# Altium PCB 1534级主板 -DRV3388-2.PcbDoc (part 1 of 3)
Units mil, origin at the board's own origin, x right, y up, seen from the top; angles counter-clockwise.
Board outline 2090.18 x 2701.44 mil, 2 copper layers (Top Layer, Bottom Layer); 7 components, 36 nets, 245 pads, 155 vias.
Unrouted connection lines stored in the file: 16.
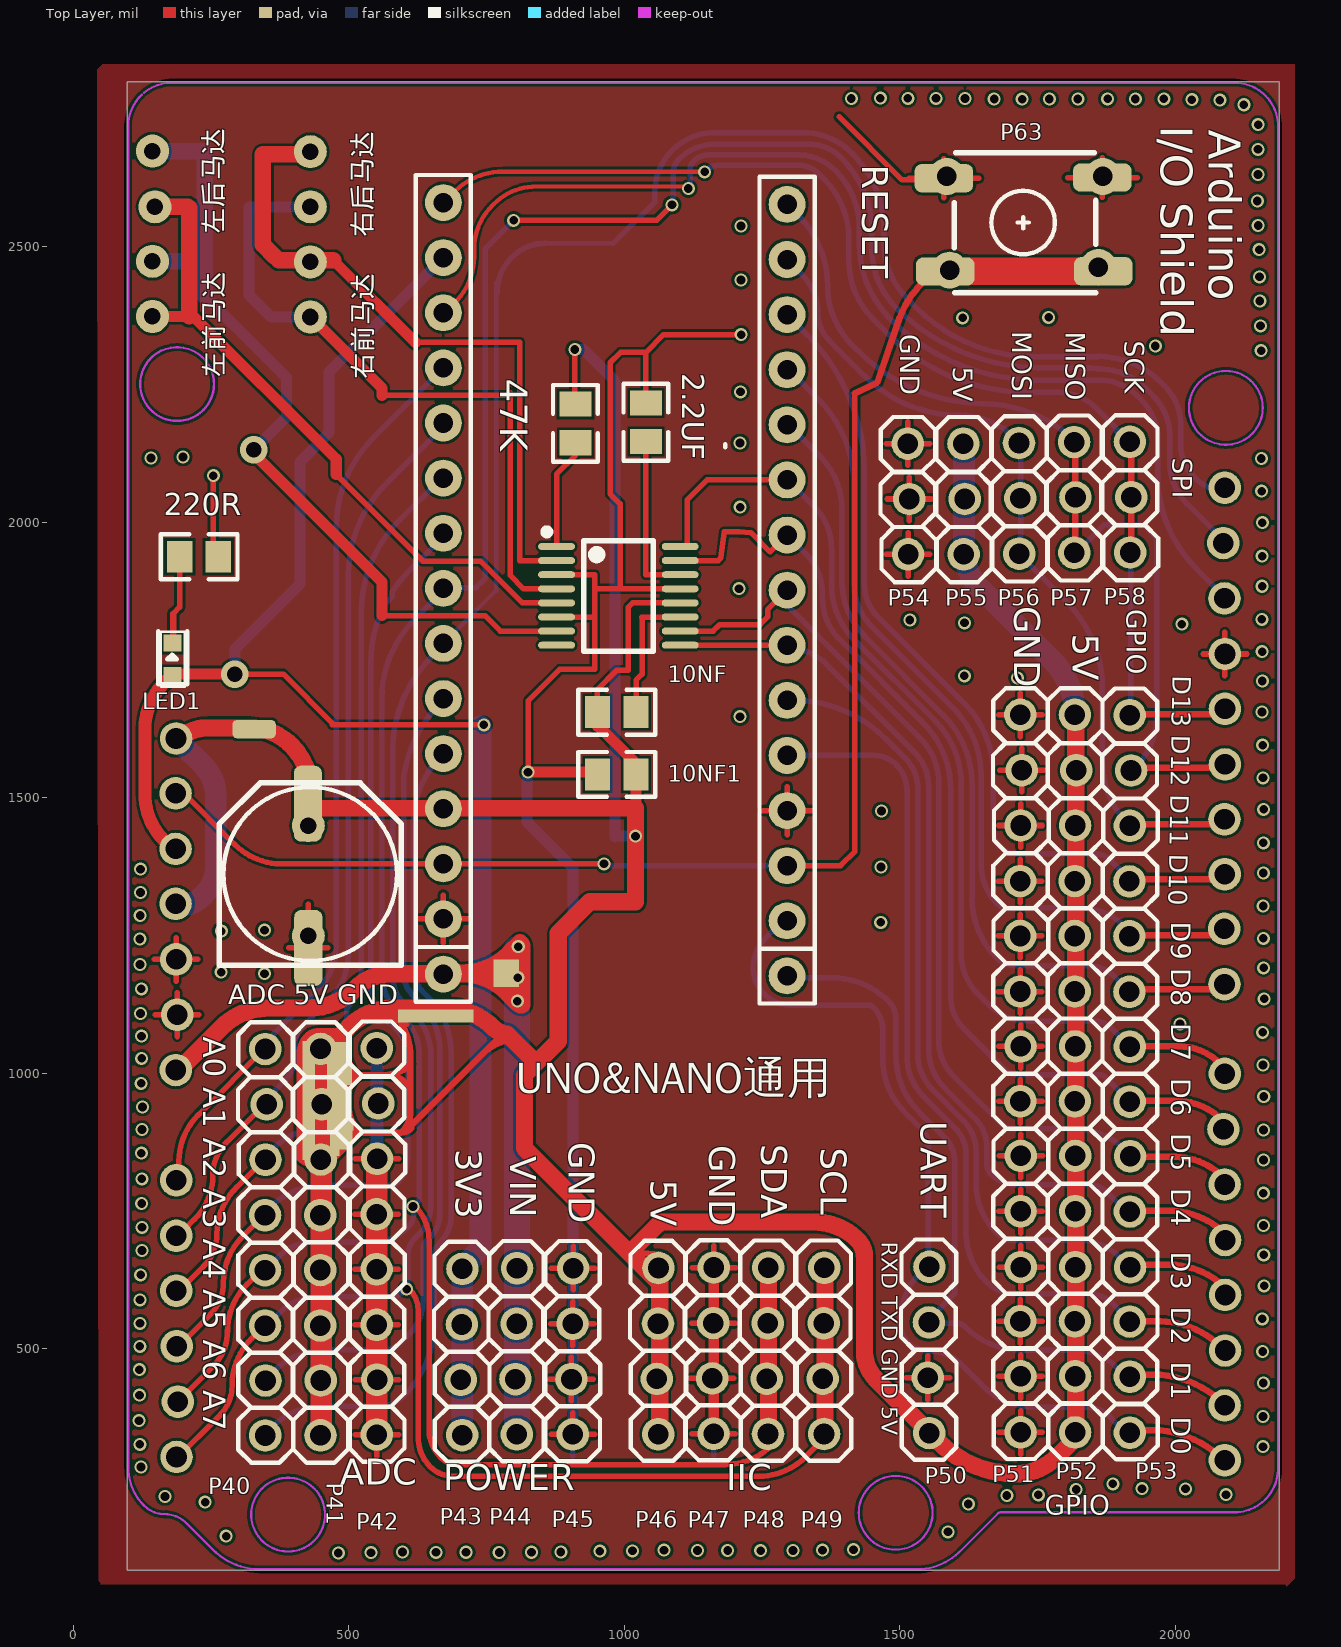
[diagram p0: Top Layer view]
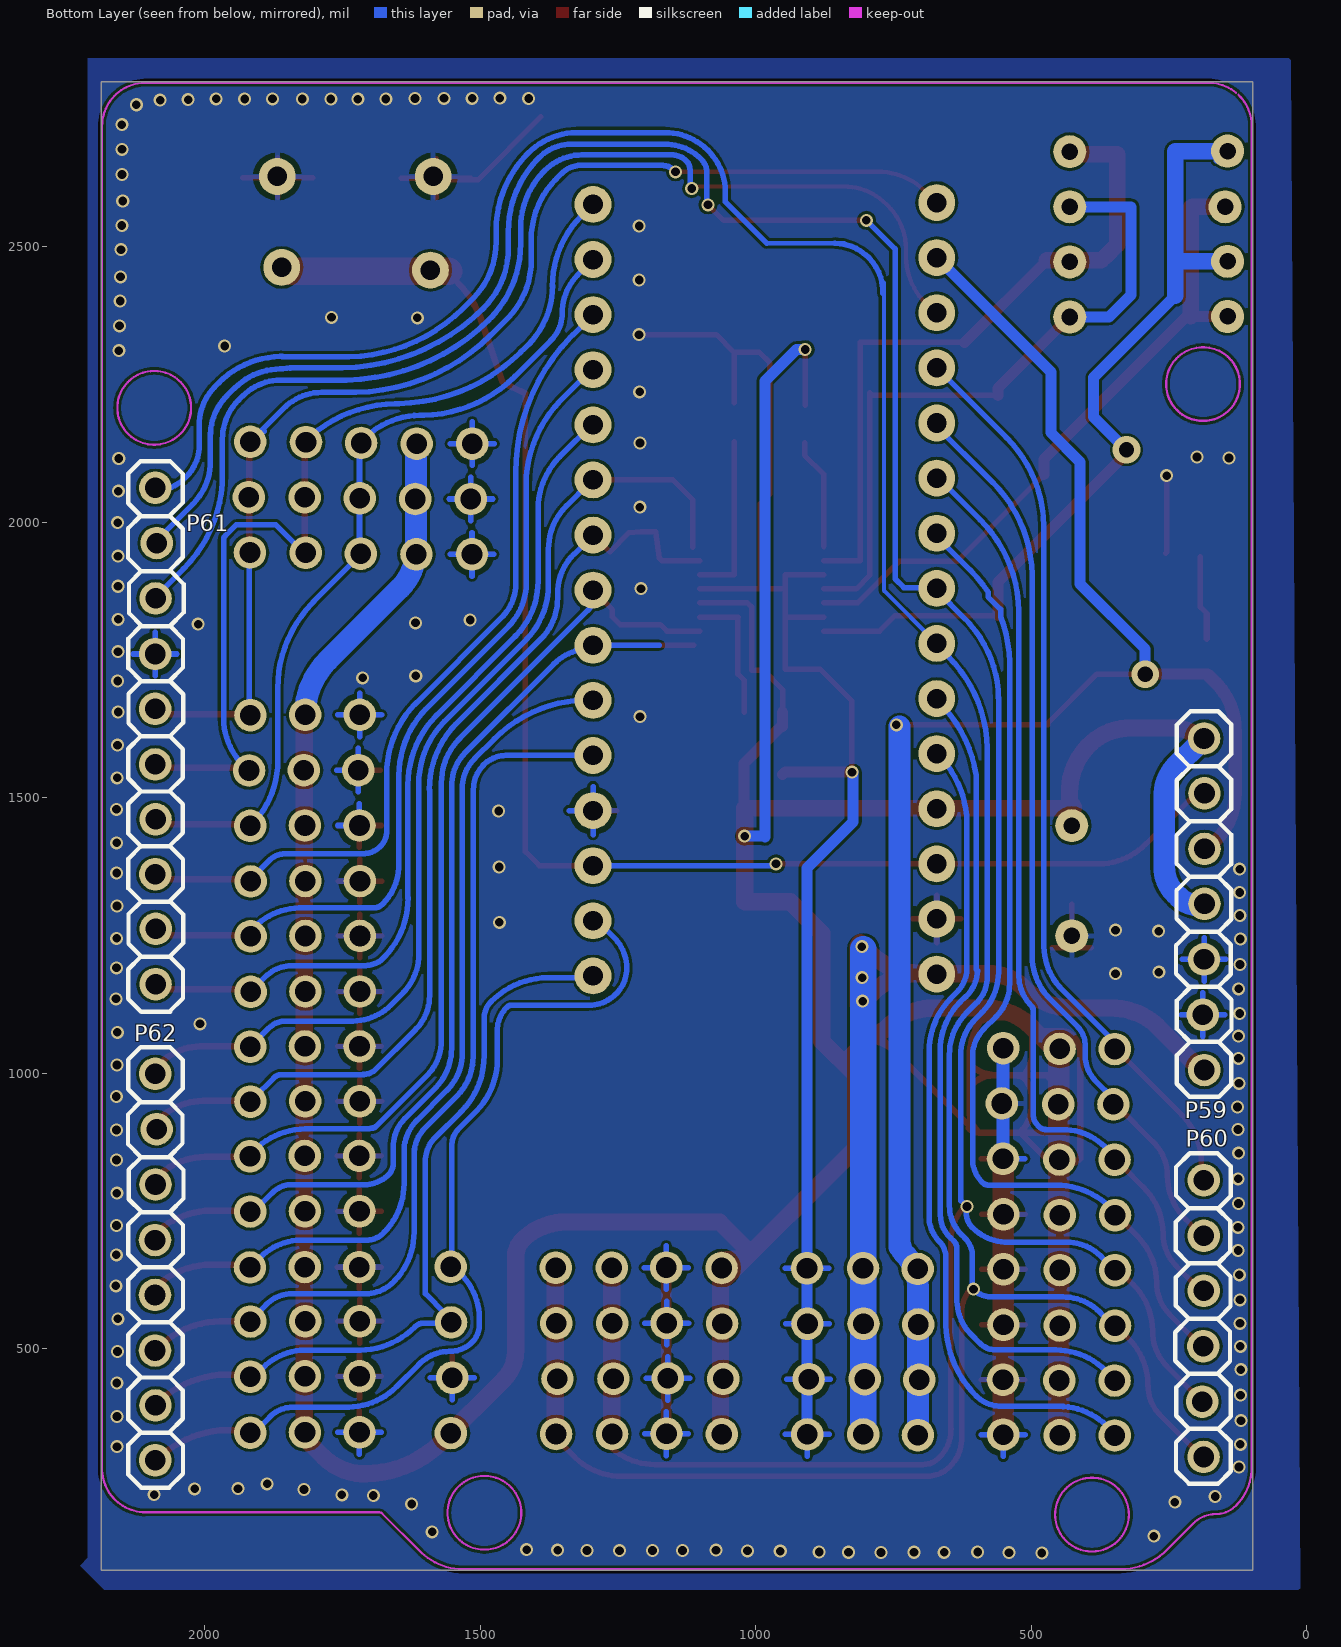
[diagram p1: Bottom Layer view, seen from below]
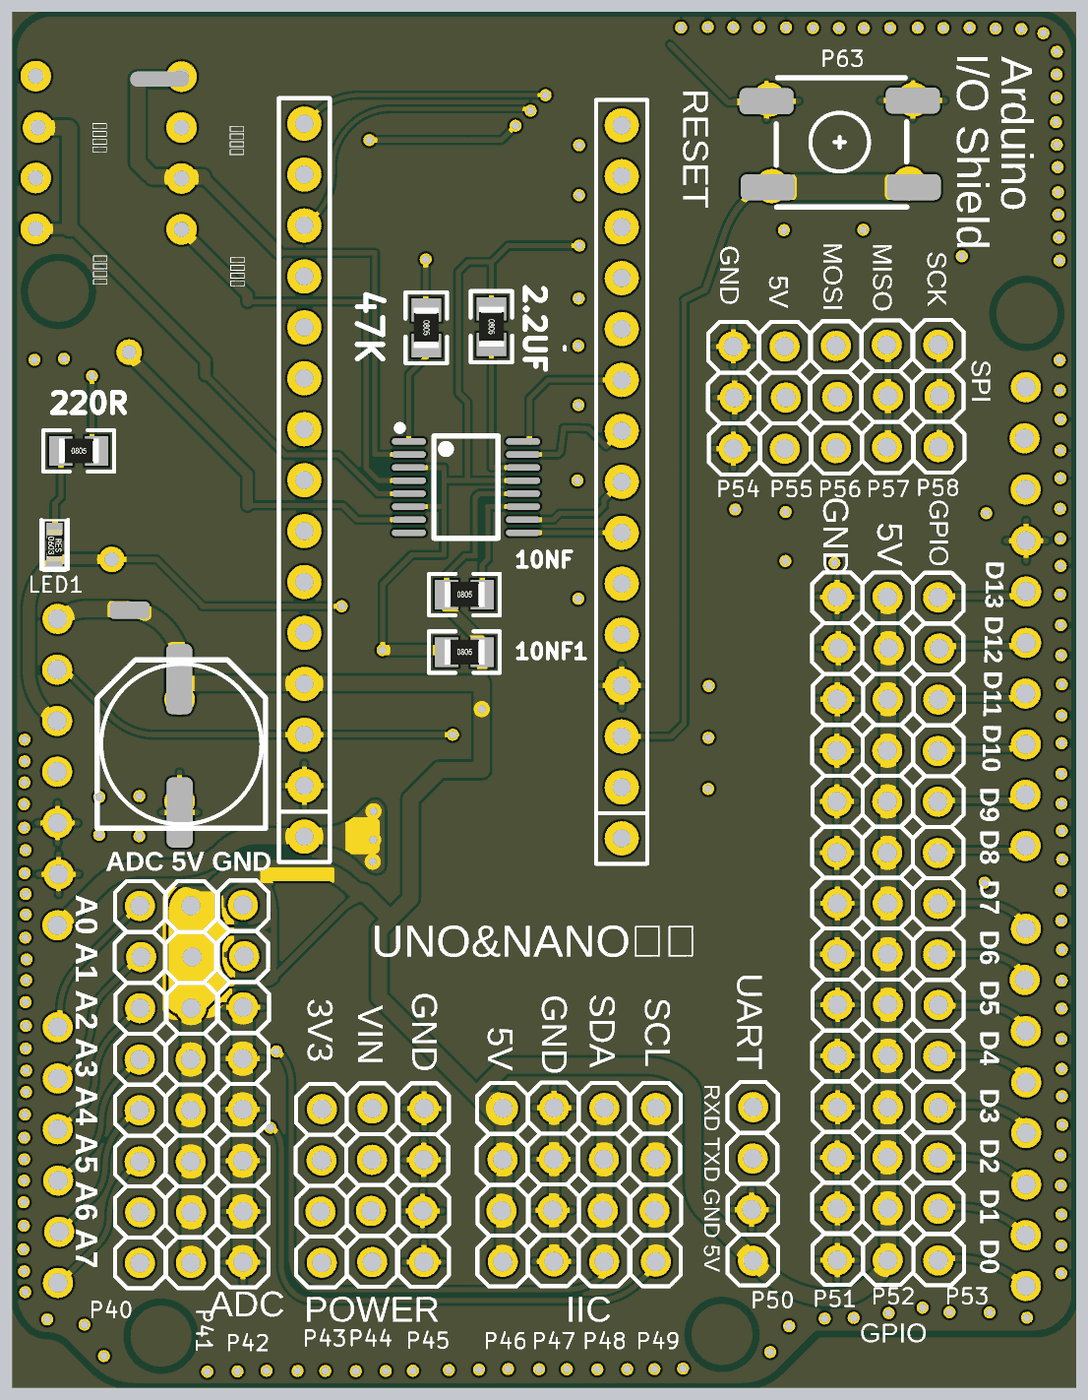
[diagram p4: 3D render of the assembled board from above, using the file's embedded part models]

## Layer stack, top to bottom
Top Solder: solder mask 0.4, Solder Resist, Dk 3.5
Top Layer: signal copper 1.4
Dielectric1: dielectric 12.6, FR-4, Dk 4.8
Bottom Layer: signal copper 1.4
Bottom Solder: solder mask 0.4, Solder Resist, Dk 3.5

## Board outline
97.7,97.7 2187.88,97.7 2187.88,2799.14 97.7,2799.14

## Design rules (kind name [scope] priority, off if disabled: settings)
Clearance [All] p1: gap=5 ignorepadtopadclearanceinfootprint=FALSE except(0: Arc-Hole Track-Hole SMDPad-Hole THPad-Hole Via-Hole Fill-Hole Poly-Hole Region-Hole Text-Hole)
PolygonConnect PolygonConnect_1 [isvia] p1: connectstyle=Direct reliefconductorwidth=10 reliefentries=4 polygonreliefangle="90 Angle" airgapwidth=10
PolygonConnect CAM_PolygonConnect_$Net45 [InNet('$Net45')] p2: connectstyle=Direct reliefconductorwidth=10 reliefentries=4 polygonreliefangle="90 Angle" airgapwidth=10
PolygonConnect CAM_PolygonConnect_$Net37 [InNet('$Net37')] p3: connectstyle=Direct reliefconductorwidth=10 reliefentries=4 polygonreliefangle="90 Angle" airgapwidth=10
PolygonConnect [All] p4: connectstyle=Relief reliefconductorwidth=10 reliefentries=4 polygonreliefangle="90 Angle" airgapwidth=10
RoutingCorners [All] p1: cornerstyle=45-Degree minsetback=50 maxsetback=50
RoutingVias [All] p1: holewidth=28 width=50 viastyle="Through Hole" minholewidth=28 minwidth=50 maxholewidth=28 maxwidth=50
SolderMaskExpansion [All] p1: expansion=4
Width [All] p1: maxlimit=51 minlimit=6 preferedwidth=10
29 further rules are at their usual default settings.

## Components (designator, comment, footprint, x,y, rotation, side; value= is the part's Value field where it differs from the comment)
2.2UF "Q4-3" 0805_R 1039,2181 r270 top
10NF "Q4-3" 0805_R 986,1655 r0 top
10NF1 "Q4-3" 0805_R 986,1542 r0 top
47K "Q4-3" 0805_R 911,2179 r270 top
220R "Q4-3" 0805_R 228,1937 r0 top
LED1 "Comment" 0603-R 180,1750.91 r270 top
? "Q4-3" TSSOP-16 989,1866 r270 top

## Footprints (in the part's own frame and the unit in brackets; to place one, negate y for a bottom-side part, rotate by r counter-clockwise, add the part's x,y. Pads: shape width x height; smd on the part's side, far side on the other; paste and mask are expansions set on the pad)
0603-R [mm]
  rect 0.8x0.83 smd: 1(-0.75,0) 2(0.75,0)
  silkscreen extent -1.27,-0.53 1.27,0.56, body extent -0.8,-0.39 0.8,0.41, height 0.45
0805_R [mm]
  rect 1.16x1.47 smd: 1(-0.89,0) 2(0.89,0)
  silkscreen extent -1.77,-1.04 1.77,1.03, body extent -1,-0.62 1,0.63, height 0.49
TSSOP-16 [mm]
  oval 0.32x1.7 smd: 1(-2.275,-2.85) 2(-1.625,-2.85) 3(-0.975,-2.85) 4(-0.325,-2.85) 5(0.325,-2.85) 6(0.975,-2.85) 7(1.625,-2.85) 8(2.275,-2.85) 9(2.275,2.85) 10(1.625,2.85) 11(0.975,2.85) 12(0.325,2.85) 13(-0.325,2.85) 14(-0.975,2.85) 15(-1.625,2.85) 16(-2.275,2.85)
  silkscreen extent -3.1,-3.45 2.55,1.6

## Free pads (board coordinates)
  round 60 hole 30: 0(143.52,2373) 0(143.52,2373) 0(426.32,1249) 0(430,2372) 1(143.52,2473) 1(426.32,1449) 1(430,2472) 2(148,2572) 2(430,2572) 3(143.52,2673) 3(430,2672)
  round 59.05 hole 37.4: 0(185.49,1307.18) 0(185.49,1406.76) 0(185.5,1507.58) 0(185.92,1005.52) 0(186.32,1607.17) 0(186.33,1206.33) 0(186.74,605.09) 0(186.74,704.68) 0(186.75,805.5) 0(187.17,303.43) 0(187.58,504.25) 0(188.42,1105.92) 0(189.62,403.78) 0(347.77,642.37) 0(347.77,741.96) 0(347.78,541.55) 0(348.2,342.37) 0(348.2,1043.62) 0(348.2,1043.62) 0(348.61,441.96) 0(348.62,842.8) 0(350.7,943.22) 0(447.99,642.58) 0(447.99,742.17) 0(448,541.76) 0(448.42,342.58) 0(448.42,1043.83) 0(448.83,442.17) 0(448.84,843.01) 0(450.92,943.43) 0(550.28,644.04) 0(550.28,743.63) 0(550.29,543.22) 0(550.71,344.04) 0(550.71,1045.29) 0(551.12,443.63) 0(551.13,844.47) 0(553.21,944.89) 0(703.02,443.41) 0(703.02,443.41) 0(705.1,543.83) 0(705.52,343.02) 0(705.52,343.02) 0(705.94,644.67) 0(802.18,444.67) 0(802.18,444.67) 0(804.26,545.09) 0(804.68,344.28) 0(804.68,344.28) 0(805.1,645.93) 0(903.85,444.67) 0(903.85,444.67) 0(905.93,545.09) 0(906.35,344.28) 0(906.35,344.28) 0(906.77,645.93) 0(1058.82,445.06) 0(1060.9,545.48) 0(1061.31,344.67) 0(1061.74,646.32) 0(1159.25,445.91) 0(1161.33,546.33) 0(1161.74,345.52) 0(1162.17,647.17) 0(1258,445.49) 0(1260.08,545.91) 0(1260.49,345.1) 0(1260.92,646.75) 0(1359.66,445.49) 0(1361.74,545.91) 0(1362.15,345.1) 0(1362.58,646.75) 0(1514.25,2142.15) 0(1514.67,1941.33) 0(1516.75,2041.75) 0(1550.49,447.18) 0(1552.57,547.59) 0(1552.99,346.78) 0(1553.42,648.43) 0(1615.07,2142.14) 0(1615.49,1941.32) 0(1617.57,2041.74) 0(1715.92,2143.4) 0(1716.34,1942.58) 0(1717.99,1248.84) 0(1717.99,1348.43) 0(1717.99,1348.43) 0(1718,1148.02) 0(1718.42,549.69) 0(1718.42,948.83) 0(1718.42,1650.08) 0(1718.42,2043) 0(1718.82,449.68) 0(1718.82,1048.43) 0(1718.83,348.02) 0(1718.83,749.27) 0(1718.83,1449.27) 0(1719.24,849.68) 0(1719.25,648.02) 0(1720.92,1549.69) 0(1815.91,2145.06) 0(1816.33,1944.24) 0(1816.94,1248.83) 0(1816.94,1348.42) 0(1816.94,1348.42) 0(1816.95,1148.01) 0(1817.37,549.68) 0(1817.37,948.82) 0(1817.37,1650.07) 0(1817.77,449.67) 0(1817.77,1048.42) 0(1817.78,348.01) 0(1817.78,749.26) 0(1817.78,1449.26) 0(1818.19,849.67) 0(1818.2,648.01) 0(1818.41,2044.66) 0(1819.87,1549.68) 0(1916.31,1248.21) 0(1916.31,1347.8) 0(1916.31,1347.8) 0(1916.32,1147.38) 0(1916.74,549.05) 0(1916.74,948.19) 0(1916.74,1649.45) 0(1917.14,449.04) 0(1917.14,1047.79) 0(1917.15,347.38) 0(1917.15,748.63) 0(1917.15,1448.64) 0(1917.17,2145.48) 0(1917.56,849.04) 0(1917.57,647.38) 0(1917.59,1944.66) 0(1919.24,1549.06) 0(1919.67,2045.08) 0(2086.75,1961.75) 0(2086.95,898.22) 0(2088.43,1261.74) 0(2088.83,1161.33) 0(2088.83,1861.33) 0(2088.84,1460.49) 0(2089.03,797.8) 0(2089.04,396.96) 0(2089.25,1360.9) 0(2089.25,2062.15) 0(2089.45,297.37) 0(2089.45,998.62) 0(2089.67,1560.08) 0(2089.68,1660.91) 0(2089.68,1760.49) 0(2089.87,496.55) 0(2089.88,597.38) 0(2089.88,696.96)
  round 66.93 hole 35.43: 0(671.33,1179.65) 0(671.33,1279.65) 0(671.33,1379.65) 0(671.33,1479.65) 0(671.33,1579.65) 0(671.33,1679.65) 0(671.33,1779.65) 0(671.33,1879.65) 0(671.33,1979.65) 0(671.33,2079.65) 0(671.33,2179.65) 0(671.33,2279.65) 0(671.33,2379.65) 0(671.33,2479.65) 0(671.33,2579.65) 0(1295.08,1176.33) 0(1295.08,1276.33) 0(1295.08,1376.33) 0(1295.08,1476.33) 0(1295.08,1576.33) 0(1295.08,1676.33) 0(1295.08,1776.33) 0(1295.08,1876.33) 0(1295.08,1976.33) 0(1295.08,2076.33) 0(1295.08,2176.33) 0(1295.08,2276.33) 0(1295.08,2376.33) 0(1295.08,2476.33) 0(1295.08,2576.33) 0(1585,2627) 0(1590.08,2457) 0(1860,2462) 0(1868,2627)
  rect 27.56x15.75 smd paste+0 mask+4: 1(179.87,1724.45) 1(179.87,1782.99)
  rrect50% 78.74x33.47 smd paste+0 mask+4: 1(327.99,1624.13)
  rrect50% 51.18x137.8 smd paste+0 mask+4: 1(425.49,1488.84) 1(426.32,1227.16)
  rect 23.33x215.83 smd paste-107.91 mask+22.34: 1(427.17,950.08)
  rect 17.07x50.44 smd paste-25.22 mask+25.46: 1(474.04,874.46)
  rect 37.08x163.33 smd paste-81.67 mask+15.46: 1(479.04,975.08)
  rect 27.92x37.08 smd paste-18.54 mask+20.04: 1(482.37,879.88)
  rect 22.5x23.33 smd paste-11.66 mask+22.75: 1(495.49,885.91)
  rect 12.93x35.41 smd paste-17.7 mask+27.54: 1(499.45,996.54)
  rect 14.99x21.68 smd paste-10.84 mask+26.5: 1(500.91,906.33)
  rect 137.5x23.33 smd paste-68.75: 1(657.58,1103.83)
  rect 45.83x50.01 smd paste-25 mask+11.09: 1(785.5,1181.34)
  rrect50% 106.3x51.18 smd paste+0 mask+4: 1(1579.67,2623.85) 1(1582.17,2454.67) 1(1867.17,2625.1) 1(1868.84,2455.09)

## Via types
v1: diameter 23.62, hole 15.75, Top Layer to Bottom Layer, 153 vias
v2: diameter 50, hole 28, Top Layer to Bottom Layer, 2 vias

## Nets (pads, with @x,y where several pads share a name; then routed paths per layer and width w, separated by ;. In a path a pad name is that pad's centre, name@x,y a point inside that pad or via, vN(x,y) a via of type N, cw(c..) or ccw(c..) an arc to the next point about the centre after c; other vN are vias at no path point)
$Net0: 220R.2 pad.0@186.33,1206.33 pad.0@188.42,1105.92 pad.0@426.32,1249 pad.0@550.28,644.04 pad.0@550.28,743.63 pad.0@550.29,543.22 pad.0@550.71,344.04 pad.0@550.71,1045.29 pad.0@551.12,443.63 pad.0@551.13,844.47 pad.0@553.21,944.89 pad.0@671.33,1279.65 pad.0@903.85,444.67 pad.0@905.93,545.09 pad.0@906.35,344.28 pad.0@906.77,645.93 pad.0@1159.25,445.91 pad.0@1161.33,546.33 pad.0@1161.74,345.52 pad.0@1162.17,647.17 pad.0@1295.08,1476.33 pad.0@1514.25,2142.15 pad.0@1514.67,1941.33 pad.0@1516.75,2041.75 pad.0@1550.49,447.18 pad.0@1585,2627 pad.0@1717.99,1248.84 pad.0@1717.99,1348.43 pad.0@1718,1148.02 pad.0@1718.42,549.69 pad.0@1718.42,948.83 pad.0@1718.42,1650.08 pad.0@1718.82,449.68 pad.0@1718.82,1048.43 pad.0@1718.83,348.02 pad.0@1718.83,749.27 pad.0@1718.83,1449.27 pad.0@1719.24,849.68 pad.0@1719.25,648.02 pad.0@1720.92,1549.69 pad.0@1868,2627 pad.0@2089.68,1760.49 pad.1@426.32,1227.16 pad.1@1579.67,2623.85 pad.1@1867.17,2625.1 | length 12159.8
  Top Layer w10: 146.81,1206.33 pad.0@186.33,1206.33 ; 148.89,1105.92 pad.0@188.42,1105.92 ; 186.33,1166.81 pad.0@186.33,1206.33 ; 186.33,1245.86 pad.0@186.33,1206.33 ; 188.42,1066.39 pad.0@188.42,1105.92 ; 188.42,1145.44 pad.0@188.42,1105.92 ; 225.86,1206.33 pad.0@186.33,1206.33 ; 227.94,1105.92 pad.0@188.42,1105.92 ; 220R.2@254,1945 v1(254,2084) ; 390.73,1227.16 pad.1@426.32,1227.16 ; 426.32,1306.05 pad.1@426.32,1227.16 ; 461.91,1227.16 pad.1@426.32,1227.16 ; 510.76,543.23 pad.0@550.29,543.22 ; 510.76,644.05 pad.0@550.28,644.04 ; 510.76,743.63 pad.0@550.28,743.63 ; 511.18,344.04 pad.0@550.71,344.04 ; 511.59,443.63 pad.0@551.12,443.63 ; 511.6,844.48 pad.0@551.13,844.47 ; 550.29,503.7 pad.0@550.29,543.22 ; 550.29,582.75 pad.0@550.29,543.22 ; 550.28,604.52 pad.0@550.28,644.04 ; 550.28,683.58 pad.0@550.28,644.04 ; 550.28,704.11 pad.0@550.28,743.63 ; 550.28,783.16 pad.0@550.28,743.63 ; 550.71,304.51 pad.0@550.71,344.04 ; 550.71,383.57 pad.0@550.71,344.04 ; 551.12,404.11 pad.0@551.12,443.63 ; 551.12,483.16 pad.0@551.12,443.63 ; 551.12,804.95 pad.0@551.13,844.47 ; 589.82,543.23 pad.0@550.29,543.22 ; 589.81,644.05 pad.0@550.28,644.04 ; 589.81,743.63 pad.0@550.28,743.63 ; 590.24,344.04 pad.0@550.71,344.04 ; 590.64,443.63 pad.0@551.12,443.63 ; 590.65,844.48 pad.0@551.13,844.47 ; 627.87,1279.65 pad.0@671.33,1279.65 ; 671.33,1236.18 pad.0@671.33,1279.65 ; 671.33,1323.11 pad.0@671.33,1279.65 ; 714.8,1279.65 pad.0@671.33,1279.65 ; 864.31,444.67 pad.0@903.85,444.67 ; 866.4,545.09 pad.0@905.93,545.09 ; 866.81,344.28 pad.0@906.35,344.28 ; 867.24,645.93 pad.0@906.77,645.93 ; 903.84,405.15 pad.0@903.85,444.67 ; 903.84,484.2 pad.0@903.85,444.67 ; 905.92,505.56 pad.0@905.93,545.09 ; 905.92,584.62 pad.0@905.93,545.09 ; 906.34,383.81 pad.0@906.35,344.28 ; 906.77,606.41 pad.0@906.77,645.93 ; 906.77,685.46 pad.0@906.77,645.93 ; 943.37,444.67 pad.0@903.85,444.67 ; 945.45,545.09 pad.0@905.93,545.09 ; 945.87,344.28 pad.0@906.35,344.28 ; 946.3,645.93 pad.0@906.77,645.93 ; 1119.71,445.91 pad.0@1159.25,445.91 ; 1121.8,546.33 pad.0@1161.33,546.33 ; 1122.21,345.51 pad.0@1161.74,345.52 ; 1122.64,647.17 pad.0@1162.17,647.17 ; 1159.24,406.38 pad.0@1159.25,445.91 ; 1159.24,485.44 pad.0@1159.25,445.91 ; 1161.32,506.8 pad.0@1161.33,546.33 ; 1161.32,585.85 pad.0@1161.33,546.33 ; 1161.74,385.04 pad.0@1161.74,345.52 ; 1162.17,607.64 pad.0@1162.17,647.17 ; 1162.17,686.69 pad.0@1162.17,647.17 ; 1198.77,445.91 pad.0@1159.25,445.91 ; 1200.85,546.33 pad.0@1161.33,546.33 ; 1201.27,345.51 pad.0@1161.74,345.52 ; 1201.69,647.17 pad.0@1162.17,647.17 ; 1251.62,1476.33 pad.0@1295.08,1476.33 ; 1295.08,1432.87 pad.0@1295.08,1476.33 ; 1295.08,1519.8 pad.0@1295.08,1476.33 ; 1338.55,1476.33 pad.0@1295.08,1476.33 ; 1390,2735 1504,2621 pad.1@1552,2621 ; 1474.72,2142.15 pad.0@1514.25,2142.15 ; 1475.14,1941.33 pad.0@1514.67,1941.33 ; 1477.22,2041.75 pad.0@1516.75,2041.75 ; 1510.96,447.18 pad.0@1550.49,447.18 ; 1514.25,2102.62 pad.0@1514.25,2142.15 ; 1514.25,2181.67 pad.0@1514.25,2142.15 ; 1514.67,1901.81 pad.0@1514.67,1941.33 ; 1514.67,1980.86 pad.0@1514.67,1941.33 ; 1516.52,2623.85 pad.1@1579.67,2623.85 ; 1516.75,2002.22 pad.0@1516.75,2041.75 ; 1516.75,2081.28 pad.0@1516.75,2041.75 ; 1550.49,407.65 pad.0@1550.49,447.18 ; 1550.49,486.7 pad.0@1550.49,447.18 ; 1553.78,2142.15 pad.0@1514.25,2142.15 ; 1554.2,1941.33 pad.0@1514.67,1941.33 ; 1556.28,2041.75 pad.0@1516.75,2041.75 ; 1579.67,2588.26 pad.1@1579.67,2623.85 ; pad.0@1579.67,2659.44 pad.1@1579.67,2623.85 ; 1590.02,447.18 pad.0@1550.49,447.18 ; 1642.82,2623.85 pad.1@1579.67,2623.85 ; 1678.47,1148.02 pad.0@1718,1148.02 ; 1678.46,1248.84 pad.0@1717.99,1248.84 ; 1678.46,1348.43 pad.0@1717.99,1348.43 ; 1678.89,549.69 pad.0@1718.42,549.69 ; 1678.89,948.83 pad.0@1718.42,948.83 ; 1678.89,1650.08 pad.0@1718.42,1650.08 ; 1679.3,449.68 pad.0@1718.82,449.68 ; 1679.3,1048.43 pad.0@1718.82,1048.43 ; 1679.31,348.02 pad.0@1718.83,348.02 ; 1679.31,749.27 pad.0@1718.83,749.27 ; 1679.31,1449.27 pad.0@1718.83,1449.27 ; 1679.72,648.02 pad.0@1719.25,648.02 ; 1679.71,849.68 pad.0@1719.24,849.68 ; 1681.39,1549.69 pad.0@1720.92,1549.69 ; 1718,1108.49 pad.0@1718,1148.02 ; 1718,1187.54 pad.0@1718,1148.02 ; 1717.99,1209.31 pad.0@1717.99,1248.84 ; 1717.99,1288.37 pad.0@1717.99,1248.84 ; 1717.99,1308.9 pad.0@1717.99,1348.43 ; 1717.99,1387.95 pad.0@1717.99,1348.43 ; 1718.42,510.16 pad.0@1718.42,549.69 ; 1718.42,589.21 pad.0@1718.42,549.69 ; 1718.42,909.31 pad.0@1718.42,948.83 ; 1718.42,988.36 pad.0@1718.42,948.83 ; 1718.42,1610.56 pad.0@1718.42,1650.08 ; 1718.42,1689.61 pad.0@1718.42,1650.08 ; 1718.83,308.49 pad.0@1718.83,348.02 ; 1718.83,387.55 pad.0@1718.83,348.02 ; 1718.82,410.15 pad.0@1718.82,449.68 ; 1718.82,489.2 pad.0@1718.82,449.68 ; 1718.83,709.74 pad.0@1718.83,749.27 ; 1718.83,788.79 pad.0@1718.83,749.27 ; 1718.82,1008.9 pad.0@1718.82,1048.43 ; 1718.82,1087.95 pad.0@1718.82,1048.43 ; 1718.83,1409.74 pad.0@1718.83,1449.27 ; 1718.83,1488.8 pad.0@1718.83,1449.27 ; 1719.25,608.49 pad.0@1719.25,648.02 ; 1719.25,687.55 pad.0@1719.25,648.02 ; 1719.24,810.15 pad.0@1719.24,849.68 ; 1719.24,889.2 pad.0@1719.24,849.68 ; 1720.92,1510.16 pad.0@1720.92,1549.69 ; 1720.92,1589.21 pad.0@1720.92,1549.69 ; 1757.53,1148.02 pad.0@1718,1148.02 ; 1757.52,1248.84 pad.0@1717.99,1248.84 ; 1757.52,1348.43 pad.0@1717.99,1348.43 ; 1757.94,549.69 pad.0@1718.42,549.69 ; 1757.94,948.83 pad.0@1718.42,948.83 ; 1757.94,1650.08 pad.0@1718.42,1650.08 ; 1758.35,449.68 pad.0@1718.82,449.68 ; 1758.35,1048.43 pad.0@1718.82,1048.43 ; 1758.36,348.02 pad.0@1718.83,348.02 ; 1758.36,749.27 pad.0@1718.83,749.27 ; 1758.36,1449.27 pad.0@1718.83,1449.27 ; 1758.78,648.02 pad.0@1719.25,648.02 ; 1758.77,849.68 pad.0@1719.24,849.68 ; 1760.44,1549.69 pad.0@1720.92,1549.69 ; 1804.02,2625.1 pad.1@1867.17,2625.1 ; 1867.17,2589.51 pad.1@1867.17,2625.1 ; 1867.17,2660.69 pad.1@1867.17,2625.1 ; 1930.32,2625.1 pad.1@1867.17,2625.1 ; 2050.15,1760.49 pad.0@2089.68,1760.49 ; 2089.68,1720.96 pad.0@2089.68,1760.49 ; 2089.68,1800.02 pad.0@2089.68,1760.49 ; 2129.2,1760.49 pad.0@2089.68,1760.49
  Top Layer w19.68: pad.0@1161.74,345.52 1162.17,345.94 pad.0@1162.17,647.17
  Top Layer w39.37: pad.0@550.53,338.03 pad.0@550.53,849.38
  Bottom Layer w10: 146.81,1206.33 pad.0@186.33,1206.33 ; 148.89,1105.92 pad.0@188.42,1105.92 ; 186.33,1166.81 pad.0@186.33,1206.33 ; 186.33,1245.86 pad.0@186.33,1206.33 ; 188.42,1066.39 pad.0@188.42,1105.92 ; 188.42,1145.44 pad.0@188.42,1105.92 ; 225.86,1206.33 pad.0@186.33,1206.33 ; 227.94,1105.92 pad.0@188.42,1105.92 ; 511.18,344.04 pad.0@550.71,344.04 ; 511.6,844.48 pad.0@551.13,844.47 551.12,884 ; 550.71,304.51 pad.0@550.71,344.04 ; 550.71,1005.76 pad.0@550.71,1045.29 ; 553.21,905.36 pad.0@553.21,944.89 553.21,984.42 ; 590.24,344.04 pad.0@550.71,344.04 ; 864.31,444.67 pad.0@903.85,444.67 ; 866.4,545.09 pad.0@905.93,545.09 ; 866.81,344.28 pad.0@906.35,344.28 ; 867.24,645.93 pad.0@906.77,645.93 ; 903.84,405.15 pad.0@903.85,444.67 ; 903.84,484.2 pad.0@903.85,444.67 ; 905.92,505.56 pad.0@905.93,545.09 ; 905.92,584.62 pad.0@905.93,545.09 ; 906.34,304.75 pad.0@906.35,344.28 ; 906.34,383.81 pad.0@906.35,344.28 ; 906.77,606.41 pad.0@906.77,645.93 ; 906.77,685.46 pad.0@906.77,645.93 ; 943.37,444.67 pad.0@903.85,444.67 ; 945.45,545.09 pad.0@905.93,545.09 ; 945.87,344.28 pad.0@906.35,344.28 ; 946.3,645.93 pad.0@906.77,645.93 ; 1119.71,445.91 pad.0@1159.25,445.91 ; 1121.8,546.33 pad.0@1161.33,546.33 ; 1122.21,345.51 pad.0@1161.74,345.52 ; 1122.64,647.17 pad.0@1162.17,647.17 ; 1159.24,406.38 pad.0@1159.25,445.91 ; 1159.24,485.44 pad.0@1159.25,445.91 ; 1161.32,506.8 pad.0@1161.33,546.33 ; 1161.32,585.85 pad.0@1161.33,546.33 ; 1161.74,305.98 pad.0@1161.74,345.52 ; 1161.74,385.04 pad.0@1161.74,345.52 ; 1162.17,607.64 pad.0@1162.17,647.17 ; 1162.17,686.69 pad.0@1162.17,647.17 ; 1198.77,445.91 pad.0@1159.25,445.91 ; 1200.85,546.33 pad.0@1161.33,546.33 ; 1201.27,345.51 pad.0@1161.74,345.52 ; 1201.69,647.17 pad.0@1162.17,647.17 ; 1295.08,1432.87 pad.0@1295.08,1476.33 ; 1295.08,1519.8 pad.0@1295.08,1476.33 ; 1338.55,1476.33 pad.0@1295.08,1476.33 ; 1474.72,2142.15 pad.0@1514.25,2142.15 ; 1475.14,1941.33 pad.0@1514.67,1941.33 ; 1477.22,2041.75 pad.0@1516.75,2041.75 ; 1510.96,447.18 pad.0@1550.49,447.18 ; 1514.25,2102.62 pad.0@1514.25,2142.15 ; 1514.25,2181.67 pad.0@1514.25,2142.15 ; 1514.67,1901.81 pad.0@1514.67,1941.33 ; 1514.67,1980.86 pad.0@1514.67,1941.33 ; 1516.75,2002.22 pad.0@1516.75,2041.75 ; 1516.75,2081.28 pad.0@1516.75,2041.75 ; 1550.49,407.65 pad.0@1550.49,447.18 ; 1553.78,2142.15 pad.0@1514.25,2142.15 ; 1554.2,1941.33 pad.0@1514.67,1941.33 ; 1556.28,2041.75 pad.0@1516.75,2041.75 ; 1590.02,447.18 pad.0@1550.49,447.18 ; 1678.89,1650.08 pad.0@1718.42,1650.08 ; 1679.31,348.02 pad.0@1718.83,348.02 ; 1718.42,1610.56 pad.0@1718.42,1650.08 ; 1718.42,1689.61 pad.0@1718.42,1650.08 ; 1718.83,308.49 pad.0@1718.83,348.02 ; 1718.83,1488.8 pad.0@1718.83,1449.27 1758.36,1449.27 ; 1720.92,1510.16 pad.0@1720.92,1549.69 ; 1720.92,1589.21 pad.0@1720.92,1549.69 ; 1757.94,1650.08 pad.0@1718.42,1650.08 ; 1758.36,348.02 pad.0@1718.83,348.02 ; 1760.44,1549.69 pad.0@1720.92,1549.69 ; 2050.15,1760.49 pad.0@2089.68,1760.49 ; 2089.68,1720.96 pad.0@2089.68,1760.49 ; 2089.68,1800.02 pad.0@2089.68,1760.49 ; 2129.2,1760.49 pad.0@2089.68,1760.49
  Bottom Layer w20: v1@823,1546 823,1456 906.77,1372.23 pad.0@906.77,344.28
  Bottom Layer w23.62: pad.0@550.71,1045.29 550.71,844.89 pad.0@551.13,844.47
  other v1: 480.71,129.02 540.08,129.66 772.57,130.06 597.16,130.91 658,130.48 712.57,130.49 831.32,130.49 884.66,130.91 955.3,132.36 1014.67,133 1071.75,134.25 1132.59,133.82 1187.17,133.83 1247.16,133.41 1305.92,133.83 1359.25,134.25 1415.5,135.08 277.37,159.68 1586.96,167.58 1624.04,218.21 239.24,221.32 166.12,231.74 1693.83,233.41 1750.91,234.66 2091.54,235.08 1819.66,244.24 1939.24,245.93 2017.99,245.49 1886.33,254.67 122.8,285.3 2158.83,322.17 120.49,326.32 119.24,369.24 2158.82,376.74 120.07,415.49 2159.25,437.58 119.66,461.74 2158,494.66 120.49,504.24 120.92,545.92 2157.36,554.03 120.92,588.42 2160.92,613.83 122.17,633.83 2160.08,670.08 124.47,678.22 124.67,720.08 2159.67,723.42 123.83,763.42 2159.24,782.18 124.24,807.99 2159.67,842.17 123.42,854.67 2159.66,896.74 124.67,897.58 125.49,938.43 2160.08,957.58 122.99,981.32 2158.83,1014.67 123.83,1026.75 123.64,1066.97 2158.2,1074.03 2008.2,1089.45 121.74,1107.99 2160.7,1134.87 123.41,1152.99 346.95,1180.49 268.21,1183.21 2159.87,1191.12 120.91,1197.16 120.49,1243.41 2159.45,1244.45 268.62,1257.57 346.95,1259.24 1465.07,1273.43 121.32,1285.91 2159.02,1303.21 121.75,1327.58 2159.45,1363.2 121.75,1370.08 1465.5,1373.83 2159.44,1417.77 1466.33,1475.5 2159.87,1478.62 2158.62,1535.7 825,1546 2157.98,1595.06 1209.69,1646.77 2156.75,1655.08 2157.58,1711.33 1712.99,1717.18 1616.74,1720.93 2157.17,1764.67 2011.52,1814.67 1617.17,1817.17 1517.99,1822.18 2156.74,1823.43 1208,1879 2157.17,1883.42 2157.16,1937.99 2157.58,1998.83 1210,2027 2156.33,2055.92 2155.7,2115.28 141,2116 199,2118 1209.68,2143.43 1210.5,2236.33 2155.49,2310.93 1963.41,2319.24 1211.75,2340.08 2154.24,2355.93 1613.82,2370.49 1769.67,2371.33 2152.99,2400.93 1211.34,2439.05 2152.38,2444.89 2151.75,2494.25 1211.34,2537.17 2150.07,2537.99 2148.42,2582.58 2149.66,2630.49 2149.67,2676.33 2150.08,2720.92 2123.83,2757.17 2080.49,2765.49 1721.75,2767.17 2029.67,2766.33 1670.91,2767.57 1770.91,2767.57 1822.58,2767.58 1876.74,2767.99 1927.16,2767.57 1978.82,2767.99 1411.75,2768.42 1464.24,2769.24 1514.25,2768.83 1565.5,2768.83 1618,2768.42
$Net1: pad.0@185.92,1005.52 pad.0@671.33,1179.65 pad.0@802.18,444.67 pad.0@804.26,545.09 pad.0@804.68,344.28 pad.0@805.1,645.93 pad.1@785.5,1181.34 | length 1823.3
  Top Layer w31.5: pad.0@187.58,1003.83 187.93,1003.84 188.28,1003.88 188.63,1003.94 188.97,1004.02 189.3,1004.13 189.63,1004.26 189.94,1004.42 190.25,1004.59 190.54,1004.79 190.81,1005.01 191.07,1005.24 191.14,1005.31 268.47,1082.64 269.98,1084.11 276.24,1089.75 282.88,1094.94 289.86,1099.65 297.16,1103.86 304.73,1107.55 312.54,1110.71 320.56,1113.31 328.73,1115.35 337.03,1116.82 345.41,1117.7 353.83,1117.99 426.32,1117.99 434.74,1118.28 443.12,1119.16 451.42,1120.63 459.59,1122.67 467.61,1125.27 475.42,1128.43 482.99,1132.12 490.29,1136.33 497.27,1141.04 503.91,1146.23 510.17,1151.87 511.68,1153.35 512.83,1154.48 517.64,1158.81 522.73,1162.79 528.1,1166.41 533.7,1169.64 539.51,1172.48 545.51,1174.9 551.66,1176.9 557.94,1178.46 564.31,1179.59 570.74,1180.26 577.21,1180.49 703.01,1180.49 705.12,1180.47 713.53,1180.03 721.89,1179.01 730.16,1177.4 738.3,1175.22 746.27,1172.48 754.02,1169.18 761.53,1165.36 768.75,1161.02 775.65,1156.19 782.2,1150.89 788.36,1145.14 806.72,1126.78 807.23,1126.3 807.78,1125.86 808.35,1125.46 808.96,1125.1 809.58,1124.78 810.23,1124.5 810.89,1124.27 811.57,1124.09 812.26,1123.96 812.95,1123.87 813.65,1123.84 813.83,1123.83 813.83,1228.26 813.8,1229.06 813.72,1229.85 813.58,1230.63 813.39,1231.4 813.14,1232.16 812.84,1232.9 812.49,1233.62 812.1,1234.31 811.65,1234.97 811.16,1235.59 810.63,1236.19 810.49,1236.32 791.26,1217.1 789.76,1215.62 783.5,1209.98 776.86,1204.79 769.88,1200.08 762.58,1195.87 755.01,1192.18 747.2,1189.02 739.18,1186.42 731.01,1184.38 722.71,1182.91 714.33,1182.03 705.91,1181.74 pad.0@701.74,1181.74
  Bottom Layer w47.24: pad.0@804.67,343.83 v1@804.67,1225
  other v1: 805.7,1130.49 806.54,1173.21 807.27,1229.46
$Net2: pad.0@185.5,1507.58 pad.0@671.33,1379.65 pad.0@1295.08,1376.33 pad.0@1590.08,2457 pad.0@1860,2462 pad.1@1582.17,2454.67 pad.1@1868.84,2455.09 | length 2681.3
  Top Layer w10: pad.0@197.99,1509.68 292.64,1415.03 298.8,1409.28 305.35,1403.98 312.25,1399.15 319.47,1394.81 326.98,1390.99 334.73,1387.69 342.7,1384.95 350.84,1382.77 359.11,1381.16 367.47,1380.14 375.88,1379.7 377.99,1379.68 v1@971,1379.68 ; pad.0@1295.08,1376.33 1392.33,1376.33 1418,1402 1418,2233.44
  Top Layer w11.81: 1418,2233.44 1459.04,2253.46 1499.68,2371.5 1504.48,2382.8 1510.06,2393.75 1516.39,2404.28 1523.43,2414.34 1531.16,2423.89 pad.1@1539.54,2432.87
  Top Layer w50: pad.1@1557.17,2454.67 pad.1@1859.67,2454.67
  Bottom Layer w10: v1@961,1379.93 965,1375.93 1290.85,1375.93 1291.44,1375.9 1292.04,1375.83 1292.62,1375.71 1293.2,1375.56 1293.76,1375.36 1294.31,1375.13 1294.84,1374.86 1295.35,1374.55 1295.84,1374.21 1296.3,1373.84 pad.0@1296.74,1373.43 ; pad.0@1269.15,1388.71 1274.46,1382.81 pad.0@1275.85,1381.4
  other v1: 963,1379.68
$Net3: LED1.2 pad.0@185.49,1406.76 pad.0@671.33,2479.65 pad.0@703.02,443.41 pad.0@705.1,543.83 pad.0@705.52,343.02 pad.0@705.94,644.67 pad.1@179.87,1724.45 | length 3166.1
  Top Layer w10: v2(293,1724) 381,1724 471.5,1633.5 ; 470,1632 v1(744.74,1632)
  Top Layer w20: pad.1@179.87,1724.45 v2@308.55,1724.45
  Top Layer w23.62: pad.0@173.82,1412.99 165.01,1421.8 163.54,1423.31 157.9,1429.57 152.71,1436.21 148,1443.19 143.79,1450.49 140.1,1458.06 136.94,1465.87 134.34,1473.89 132.3,1482.06 130.83,1490.36 129.95,1498.74 129.66,1507.16 129.66,1622.99 129.68,1625.11 130.12,1633.52 131.14,1641.88 132.75,1650.15 134.93,1658.29 137.67,1666.26 140.97,1674.01 144.79,1681.52 149.13,1688.74 153.96,1695.64 159.26,1702.19 165.01,1708.35 LED1.2@178.41,1721.74
  Bottom Layer w20: v2(293,1724) 293,1769.25 411,1887.25 411,2109 464,2162 464,2272.32 pad.0@671.33,2479.65
  Bottom Layer w39.37: pad.0@705.49,344.68 705.49,611.45 705.5,612.98 705.82,619.13 706.57,625.24 707.75,631.29 709.34,637.24 711.35,643.06 713.75,648.73 716.55,654.22 719.72,659.49 723.25,664.54 727.13,669.33 731.33,673.83 732.21,674.77 733.02,675.77 733.76,676.83 734.42,677.94 735.01,679.08 735.51,680.27 735.93,681.49 736.27,682.74 736.51,684 736.67,685.28 736.74,686.57 738.74,684.56 v1@738.74,1629
$Net4: pad.0@189.62,403.78 pad.0@347.77,642.37 pad.0@671.33,1879.65 pad.0@1258,445.49 pad.0@1260.08,545.91 pad.0@1260.49,345.1 pad.0@1260.92,646.75 pad.0@2086.75,1961.75 | length 5809.4
  Top Layer w7.87: pad.0@683.83,1887.58 pad.0@691.39,1895.14
  Top Layer w10: pad.0@174.67,388.83 253.15,467.32 257.46,471.94 261.44,476.85 265.06,482.03 268.32,487.45 271.19,493.08 273.65,498.89 275.71,504.87 277.35,510.97 278.55,517.18 279.32,523.45 279.65,529.76 279.67,531.33 279.69,533.45 280.13,541.86 281.15,550.22 282.76,558.49 284.94,566.63 287.68,574.6 290.98,582.35 294.8,589.86 299.14,597.08 303.97,603.98 309.27,610.53 315.02,616.69 333.66,635.33 333.99,635.65 335.35,636.87 336.79,638 338.3,639.02 339.88,639.93 341.52,640.73 343.22,641.41 344.95,641.98 346.72,642.42 348.52,642.74 350.34,642.93 pad.0@352.16,642.99 ; v1@619.67,758.83 620.74,757.74 624.86,753.16 628.65,748.32 632.09,743.21 635.17,737.88 637.87,732.35 640.17,726.65 642.07,720.79 643.56,714.82 644.63,708.76 645.28,702.64 645.49,696.49 645.49,353.83 ; 645.45,353.88 645.63,348.76 646.16,343.66 647.05,338.61 648.29,333.64 649.88,328.77 651.8,324.01 654.05,319.41 656.61,314.97 659.47,310.72 662.63,306.68 666.06,302.87 666.95,301.96 669.09,299.96 671.37,298.12 673.77,296.44 676.28,294.93 678.89,293.6 681.59,292.45 684.36,291.5 687.19,290.74 690.06,290.18 692.97,289.83 695.9,289.67 696.64,289.67 1182.58,289.67 1191,289.96 1199.38,290.84 1207.68,292.31 1215.85,294.35 1223.87,296.95 1231.68,300.11 1239.25,303.8 1246.55,308.01 1253.53,312.72 1260.17,317.91 1266.43,323.55 1267.94,325.02 pad.0@1270.49,327.57 ; v1(799,2547.41) 1058.24,2547.41 v1(1086.32,2575.49) ; pad.0@1256.79,332.21 1257.46,332.93 1258.08,333.69 1258.64,334.5 1259.15,335.34 1259.6,336.22 1259.98,337.12 1260.3,338.05 1260.55,339 1260.74,339.97 1260.86,340.94 1260.91,341.92 pad.0@1260.92,342.17
  Top Layer w31.5: pad.0@1258.42,645.08 1258.53,644.96 1259,644.44 1259.43,643.89 1259.82,643.32 1260.16,642.72 1260.47,642.09 1260.73,641.45 1260.94,640.79 1261.11,640.11 1261.23,639.43 1261.31,638.73 1261.33,638.04 pad.0@1261.33,343.83
  Bottom Layer w10: pad.0@348.19,642.37 373.16,667.35 374.25,668.42 378.79,672.5 383.6,676.27 388.67,679.68 393.96,682.74 399.46,685.42 405.12,687.71 410.94,689.6 416.87,691.08 422.88,692.14 428.96,692.78 435.07,692.99 541.76,692.99 548.21,693.22 554.63,693.89 560.99,695.01 567.26,696.57 573.4,698.57 579.38,700.99 585.19,703.82 590.78,707.05 596.13,710.66 601.22,714.63 606.02,718.95 607.17,720.08 608.86,721.9 610.43,723.82 611.85,725.86 613.13,727.99 614.25,730.2 615.23,732.48 616.03,734.83 616.68,737.23 617.15,739.67 617.45,742.13 617.58,744.61 617.58,745.23 v1@617.58,761.33 ; v1@616.96,757.79 627.58,768.42 627.58,1033.83 627.36,1040.21 626.69,1046.56 625.58,1052.85 624.04,1059.05 622.06,1065.12 619.67,1071.05 616.87,1076.79 613.68,1082.32 610.11,1087.61 606.17,1092.64 601.9,1097.39 600.78,1098.53 589.24,1110.07 587.99,1111.35 583.2,1116.66 578.8,1122.29 574.8,1128.22 571.23,1134.41 568.1,1140.84 565.42,1147.47 563.21,1154.27 561.48,1161.2 560.24,1168.24 559.49,1175.35 559.24,1182.5 559.24,1677.18 559.28,1680.8 560.04,1695.31 561.81,1709.74 564.58,1724 568.34,1738.04 573.07,1751.78 578.75,1765.15 585.35,1778.1 592.83,1790.56 601.16,1802.46 610.31,1813.75 620.22,1824.38 pad.0@671.06,1875.23 ; pad.0@673.42,1880.92 730.92,1880.92 747,1897 747,2461 747,2495.41 v1(799,2547.41) ; v1@1088.42,2578.83 1088.42,2633.27 1088.42,2633.89 1088.55,2636.37 1088.85,2638.83 1089.32,2641.27 1089.97,2643.67 1090.77,2646.02 1091.74,2648.3 1092.87,2650.51 1094.15,2652.64 1095.57,2654.68 1097.14,2656.6 1098.83,2658.42 1100.01,2659.57 1104.88,2663.95 1110.04,2667.99 1115.48,2671.65 1121.15,2674.93 1127.04,2677.8 1133.12,2680.26 1139.35,2682.28 1145.71,2683.87 1152.16,2685.01 1158.68,2685.69 1165.23,2685.92 1333.06,2685.92 1334.55,2685.91 1340.5,2685.6 1346.41,2684.87 1352.26,2683.73 1358.02,2682.19 1363.65,2680.25 1369.14,2677.92 1374.44,2675.22 1379.55,2672.15 1384.43,2668.73 1389.06,2664.98 1393.42,2660.92 1395.73,2658.56 1404.56,2648.75 1412.69,2638.34 1420.08,2627.39 1426.68,2615.96 1432.47,2604.09 1437.41,2591.85 1441.49,2579.29 1444.69,2566.48 1446.98,2553.48 1448.36,2540.35 1448.82,2527.15 1448.82,2495.49 1449.19,2484.96 1450.29,2474.49 1452.12,2464.12 1454.67,2453.9 1457.92,2443.88 1461.87,2434.12 1466.48,2424.65 1471.75,2415.53 1477.64,2406.8 1484.12,2398.5 1491.17,2390.67 1493.02,2388.8 1512.06,2371.04 1532.3,2354.65 1553.63,2339.72 1575.95,2326.31 1599.15,2314.48 1623.12,2304.31 1647.74,2295.83 1672.9,2289.09 1698.46,2284.12 1724.3,2280.95 1750.31,2279.59 1756.82,2279.53 1840.72,2279.53 1844.15,2279.47 1851.12,2278.99 1858.03,2278.02 1860.43,2278.02 1862.53,2278 1870.9,2277.56 1879.23,2276.54 1887.46,2274.94 1895.57,2272.77 1903.5,2270.04 1911.22,2266.76 1918.69,2262.95 1925.88,2258.63 1932.76,2253.82 1939.27,2248.54 1945.41,2242.82 1959.95,2228.27 1962.23,2225.91 1966.82,2220.65 1971.03,2215.09 1974.85,2209.24 1978.24,2203.14 1981.21,2196.82 1983.72,2190.31 1985.78,2183.64 1987.36,2176.84 1988.47,2169.95 1989.09,2163 1989.15,2161.91 1989.19,2160.82 1989.22,2159.74 1989.23,2158.65 1989.24,2157.56 1989.24,2110.07 1989.51,2102.42 1990.31,2094.81 1991.64,2087.27 1993.49,2079.85 1995.85,2072.57 1998.72,2065.47 2002.07,2058.59 2005.9,2051.96 2010.18,2045.62 2014.89,2039.59 2020.01,2033.9 2021.36,2032.54 2084.82,1969.07 2084.92,1968.98 2085.3,1968.56 2085.64,1968.12 2085.95,1967.66 2086.23,1967.18 2086.48,1966.67 2086.69,1966.16 2086.86,1965.62 2087,1965.08 2087.09,1964.53 2087.15,1963.98 pad.0@2087.17,1963.42
  Bottom Layer w11.81: pad.0@347.59,640.96 347.6,641.1 347.61,641.24 347.64,641.38 347.68,641.52 347.73,641.65 347.78,641.79 347.85,641.91 347.92,642.04 348,642.15 348.09,642.27 pad.0@348.19,642.37 ; pad.0@671.06,1875.23 671.44,1875.64 671.8,1876.08 672.12,1876.54 672.41,1877.02 672.66,1877.52 672.88,1878.04 673.07,1878.57 673.21,1879.11 673.32,1879.66 673.39,1880.22 673.42,1880.78 pad.0@673.42,1880.92
  other v1: 616.33,758.02